# Altium PCB SOM_MCU.PcbDoc (part 1 of 4) (continued)
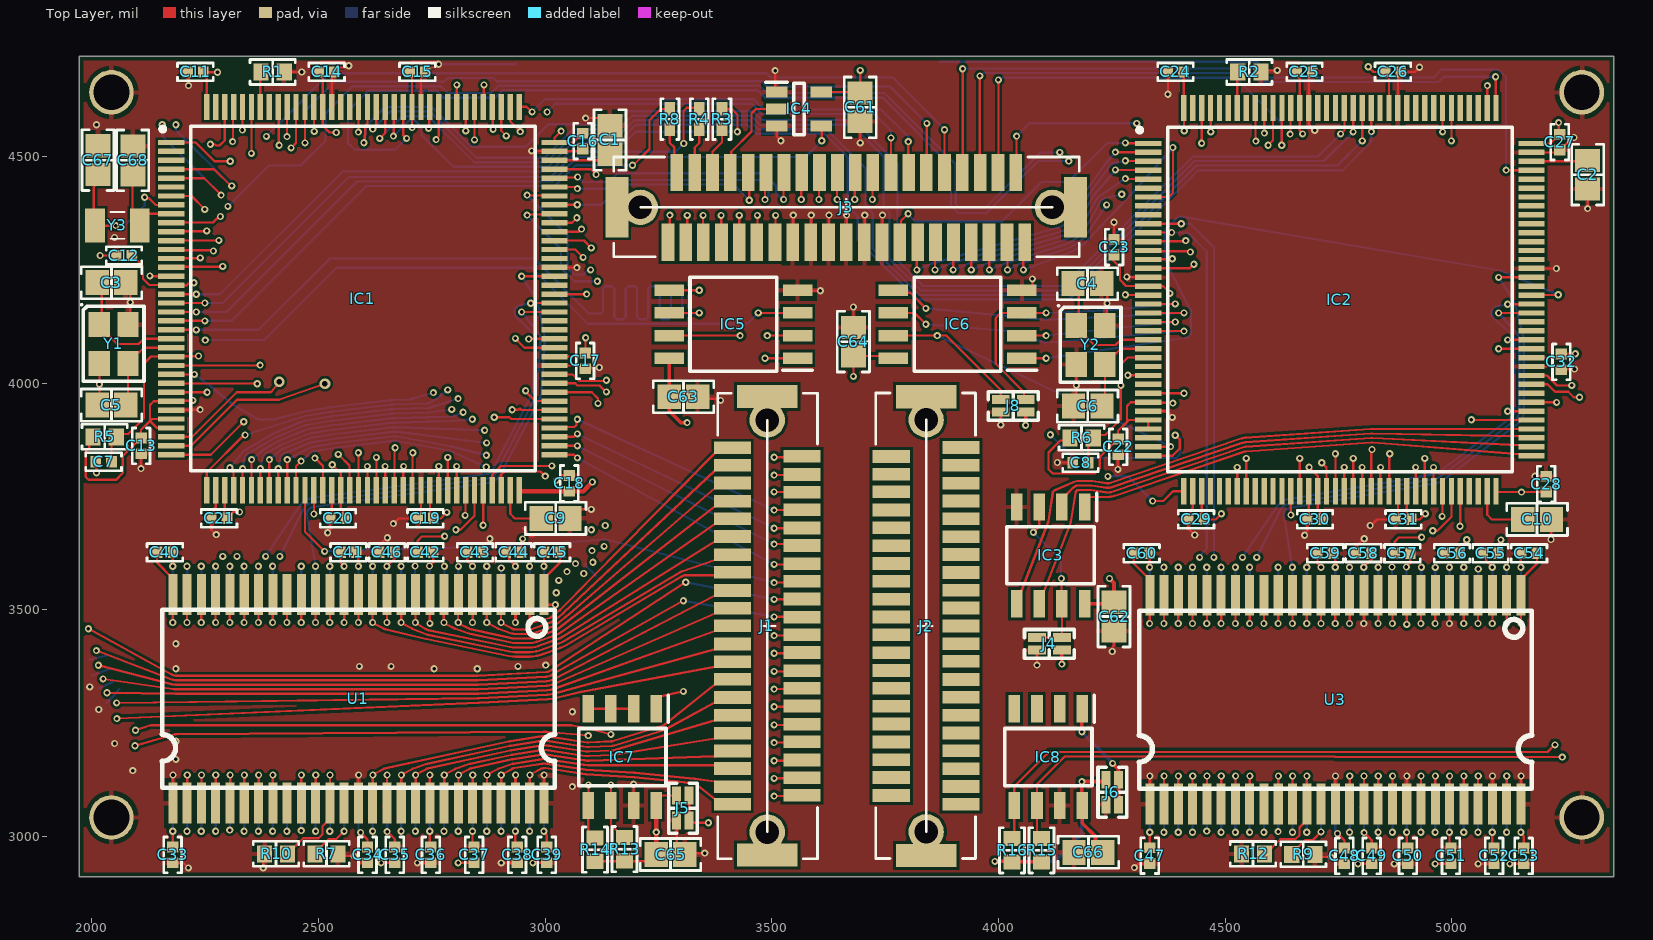
[diagram p0: Top Layer view]
## Footprints (in the part's own frame and the unit in brackets; to place one, negate y for a bottom-side part, rotate by r counter-clockwise, add the part's x,y. Pads: shape width x height; smd on the part's side, far side on the other; paste and mask are expansions set on the pad) (continued)
  silkscreen extent -11.35,-9.65 9.65,9.65, body extent -11,-11 11,11, height 1.6
"RES 0402_1005" [mm] "Chip Resistor, 2-Leads, Body 1.0x0.5mm, IPC Medium Density"
  rect 0.75x0.6 smd: 1(-0.575,0) 2(0.575,0)
  silkscreen extent -1.14,-0.51 1.14,0.51, body extent -0.5,-0.25 0.5,0.25, height 0.35
"RES 0603_1608" [mm] "Chip Resistor, 2-Leads, Body 1.60x0.80mm, IPC Medium Density"
  rect 0.85x0.95 smd: 1(-0.65,0) 2(0.65,0)
  silkscreen extent -1.27,-0.7 1.27,0.7, body extent -0.8,-0.4 0.8,0.4, height 0.45
SOIC127P600X175-8N [mm]
  rect 1.525x0.65 smd: 1(-2.712,1.905) 2(-2.712,0.635) 3(-2.712,-0.635) 4(-2.712,-1.905) 5(2.712,-1.905) 6(2.712,-0.635) 7(2.712,0.635) 8(2.712,1.905)
  silkscreen extent -3.47,-2.45 1.6,2.58, body extent -3,-2.45 3,2.45, height 1.75
SOIC127P790X216-8N [mm]
  rect 1.65x0.65 smd: 1(-3.6,1.905) 2(-3.6,0.635) 3(-3.6,-0.635) 4(-3.6,-1.905) 5(3.6,-1.905) 6(3.6,-0.635) 7(3.6,0.635) 8(3.6,1.905)
  silkscreen extent -4.43,-2.64 2.42,2.64, body extent -3.95,-2.64 3.95,2.64, height 2.16
SOT95P280X145-5N [mm]
  rect 1.2x0.6 smd: 1(-1.25,0.95) 2(-1.25,0) 3(-1.25,-0.95) 4(1.25,-0.95) 5(1.25,0.95)
  silkscreen extent -1.85,-1.45 0.3,1.5, body extent -1.4,-1.45 1.4,1.45, height 1.2
TESTPOINT_VIA#1 [mil]
  round 39.37 / inner round 20 / far side round 20 all layers, no hole mask+4: 1(0,0)
TESTPOINT_VIA#2 [mil]
  round 39.37 / inner round 0 / far side round 0 all layers, no hole mask+4: 1(0,0)
TSOP-54 [mil]
  rect 20x90 smd: 1(-409.45,-230.32) 2(-377.95,-230.32) 3(-346.46,-230.32) 4(-314.96,-230.32) 5(-283.46,-230.32) 6(-251.97,-230.32) 7(-220.47,-230.32) 8(-188.98,-230.32) 9(-157.48,-230.32) 10(-125.98,-230.32) 11(-94.49,-230.32) 12(-62.99,-230.32) 13(-31.5,-230.32) 14(0,-230.32) 15(31.5,-230.32) 16(62.99,-230.32) 17(94.49,-230.32) 18(125.98,-230.32) 19(157.48,-230.32) 20(188.98,-230.32) 21(220.47,-230.32) 22(251.97,-230.32) 23(283.46,-230.32) 24(314.96,-230.32) 25(346.46,-230.32) 26(377.95,-230.31) 27(409.45,-230.31) 28(409.45,230.32) 29(377.95,230.32) 30(346.46,230.32) 31(314.96,230.32) 32(283.46,230.32) 33(251.97,230.32) 34(220.47,230.32) 35(188.98,230.32) 36(157.48,230.32) 37(125.98,230.32) 38(94.49,230.32) 39(62.99,230.32) 40(31.5,230.32) 41(0,230.32) 42(-31.5,230.32) 43(-62.99,230.32) 44(-94.49,230.32) 45(-125.98,230.32) 46(-157.48,230.32) 47(-188.98,230.32) 48(-220.47,230.32) 49(-251.97,230.32) 50(-283.46,230.32) 51(-314.96,230.32) 52(-346.46,230.32) 53(-377.95,230.31) 54(-409.45,230.31)
  silkscreen extent -433,-197 433,197, body extent -443,-230 443,226, height 55

## Part data
C1 C2 C9 C10: library part C0805C225K8RAC7800, "CAP CER 2.2UF 10V X7R 0805", Device Package="0805 (2012 Metric)", Manufacturer=KEMET, Operating Temperature="-55°C ~ 125°C", Supplier Part Number 1=399-C0805C225K8RAC7800CT-ND, Temperature Coefficient=X7R, Tolerance=±10%, Voltage - Rated=10V, Applications="Bypass, Decoupling", Capacitance="2.2 µF", ComponentLink1Description=Datasheet, ComponentLink1URL=https://api.kemet.com/component-edge/download/datasheet/C0805C225K8RACTU.pdf, ComponentLink2Description="DigiKey Link", ComponentLink2URL=https://www.digikey.com/en/products/detail/kemet/C0805C225K8RAC7800/789654, LastUpdated="3/27/2023 7:09:32 PM", Lifecycle Status=Active, Minimum Order=1, Mounting Type="Surface Mount, MLCC", Package / Case="0805 (2012 Metric)", Packaging=TapeAndReel, Part Number=C0805C225K8RAC7800, Part Status=Active, PartId=32363, Price=0.03, Series="SMD Comm X7R", Size / Dimension="0.079\" L x 0.049\" W (2.00mm x 1.25mm)", Supplier 1=DigiKey, Thickness (Max)="0.055\" (1.40mm)"
C3 C4 C5 C6: library part CBR08C909CAGAC, "CAP CER 9PF 250V C0G/NP0 0805", Device Package="0805 (2012 Metric)", Manufacturer=KEMET, Operating Temperature="-55°C ~ 125°C", Supplier Part Number 1=399-8711-1-ND, Temperature Coefficient="C0G, NP0", Tolerance=±0.25pF, Voltage - Rated=250V, Applications="RF, Microwave, High Frequency", Capacitance=9pF, ComponentLink1Description=Datasheet, ComponentLink1URL=https://api.kemet.com/component-edge/download/datasheet/CBR08C909CAGAC.pdf, ComponentLink2Description="DigiKey Link", ComponentLink2URL=http://digikey.com/product-detail/en/kemet/CBR08C909CAGAC/399-8711-1-ND/3480335, Features="High Q, Low Loss, Ultra Low ESR", LastUpdated="9/2/2020 1:04:31 AM", Lifecycle Status=Active, Minimum Order=1, Mounting Type="Surface Mount, MLCC", Package / Case="0805 (2012 Metric)", Packaging=TapeAndReel, Part Number=CBR08C909CAGAC, Part Status=Active, PartId=8592, Price=0.28, Series="CBR-SMD RF C0G", Size / Dimension="0.079\" L x 0.049\" W (2.00mm x 1.25mm)", Supplier 1=DigiKey, Thickness (Max)="0.035\" (0.88mm)"
C7 C8 C11 C12 C13 C14 C15 C16 C17 C18 C19 C20 C21 C22 C23 C24 C25 C26 C27 C28 C29 C30 C31 C32 C33 C34 C35 C36 C37 C38 C39 C40 C41 C42 C43 C44 C45 C46 C47 C48 C49 C50 C51 C52 C53 C54 C55 C56 C57 C58 C59 C60: library part C0402C104K4RACAUTO, "CAP CER 0.1UF 16V X7R 0402", Device Package="0402 (1005 Metric)", Manufacturer=KEMET, Operating Temperature="-55°C ~ 125°C", Ratings=AEC-Q200, Supplier Part Number 1=399-6828-1-ND, Temperature Coefficient=X7R, Tolerance=±10%, Voltage - Rated=16V, Applications="Automotive, Bypass, Decoupling", Capacitance=0.1µF, ComponentLink1Description=Datasheet, ComponentLink1URL=https://api.kemet.com/component-edge/download/specsheet/C0402C104K4RACAUTO.pdf, ComponentLink2Description="DigiKey Link", ComponentLink2URL=http://digikey.com/product-detail/en/kemet/C0402C104K4RACAUTO/399-6828-1-ND/3314343, LastUpdated="9/2/2020 1:02:21 AM", Lifecycle Status=Active, Minimum Order=1, Mounting Type="Surface Mount, MLCC", Package / Case="0402 (1005 Metric)", Packaging=TapeAndReel, Part Number=C0402C104K4RACAUTO, Part Status=Active, PartId=3024, Price=0.01, Series="SMD Auto X7R", Size / Dimension="0.039\" L x 0.020\" W (1.00mm x 0.50mm)", Supplier 1=DigiKey, Thickness (Max)="0.022\" (0.55mm)"
C61 C62 C63 C64 C65 C66: library part C0805C106K8PAC7800, "CAP CER 10UF 10V X5R 0805", Device Package="0805 (2012 Metric)", Manufacturer=KEMET, Operating Temperature="-55°C ~ 85°C", Supplier Part Number 1=399-C0805C106K8PAC7800CT-ND, Temperature Coefficient=X5R, Tolerance=±10%, Voltage - Rated=10V, Applications="Bypass, Decoupling", Capacitance="10 µF", ComponentLink1Description=Datasheet, ComponentLink1URL=https://connect.kemet.com:7667/gateway/IntelliData-ComponentDocumentation/1.0/download/datasheet/C0805C106K8PACTU, ComponentLink2Description="DigiKey Link", ComponentLink2URL=https://www.digikey.com/en/products/detail/kemet/C0805C106K8PAC7800/1090830, LastUpdated="9/19/2022 1:03:23 PM", Lifecycle Status=Active, Minimum Order=1, Mounting Type="Surface Mount, MLCC", Package / Case="0805 (2012 Metric)", Packaging=TapeAndReel, Part Number=C0805C106K8PAC7800, Part Status=Active, PartId=44790, Price=0.02, Series="SMD Comm X5R", Size / Dimension="0.079\" L x 0.049\" W (2.00mm x 1.25mm)", Supplier 1=DigiKey, Thickness (Max)="0.055\" (1.40mm)"
C67 C68: library part CC0805DRNPO9BN7R0, "CAP CER 7PF 50V C0G/NPO 0805", Device Package="0805 (2012 Metric)", Manufacturer=Yageo, Operating Temperature="-55°C ~ 125°C", Supplier Part Number 1=311-1096-1-ND, Temperature Coefficient="C0G, NP0", Tolerance=±0.5pF, Voltage - Rated=50V, Applications="General Purpose", Capacitance="7 pF", ComponentLink1Description=Datasheet, ComponentLink1URL=https://www.yageo.com/upload/media/product/productsearch/datasheet/mlcc/UPY-GP_NP0_16V-to-50V_17.pdf, ComponentLink2Description="DigiKey Link", ComponentLink2URL=https://www.digikey.com/en/products/detail/yageo/CC0805DRNPO9BN7R0/302830, LastUpdated="9/8/2023 7:12:10 PM", Lifecycle Status=Active, Minimum Order=1, Mounting Type="Surface Mount, MLCC", Package / Case="0805 (2012 Metric)", Packaging=TapeAndReel, Part Number=CC0805DRNPO9BN7R0, Part Status=Active, PartId=8360, Price=0.01, Series=CC, Size / Dimension="0.079\" L x 0.049\" W (2.00mm x 1.25mm)", Supplier 1=DigiKey, Thickness (Max)="0.024\" (0.60mm)"
IC1 IC2: "Integrated Circuit", Manufacturer_Name=STMicroelectronics, Mouser Part Number=N/A, Datasheet Link=https://componentsearchengine.com/Datasheets/1/STM32H743ZIT6U.pdf, Height=1.6mm, Manufacturer_Part_Number=STM32H743ZIT6U, Mouser Price/Stock=https://www.mouser.co.uk/ProductDetail/STMicroelectronics/STM32H743ZIT6U?qs=PzGy0jfpSMtTUBlZwwPqMQ%3D%3D
IC3: "Integrated Circuit", Manufacturer_Name="Lyontek Inc.", Datasheet Link=https://datasheet.lcsc.com/szlcsc/Lyontek-Inc-LY68L6400SLIT_C261881.pdf, Height=1.75mm, Manufacturer_Part_Number=LY68L6400SLIT
IC4: "Integrated Circuit", Manufacturer_Name="Texas Instruments", Mouser Part Number=595-SN74LVC1G125DBVR, Arrow Part Number=SN74LVC1G125DBVR, Arrow Price/Stock=https://www.arrow.com/en/products/sn74lvc1g125dbvr/texas-instruments?region=nac, Datasheet Link=http://www.ti.com/lit/ds/symlink/sn74lvc1g125.pdf, Height=1.45mm, Manufacturer_Part_Number=SN74LVC1G125DBVR, Mouser Price/Stock=https://www.mouser.co.uk/ProductDetail/Texas-Instruments/SN74LVC1G125DBVR?qs=dT9u2OTAaVWCjkJK89JQQg%3D%3D
IC5 IC6: "Integrated Circuit", Manufacturer_Name=Micron, Mouser Part Number=340-182267, Arrow Part Number=N25Q128A13ESE40F, Arrow Price/Stock=https://www.arrow.com/en/products/n25q128a13ese40f/micron-technology, Datasheet Link=https://datasheet.datasheetarchive.com/originals/distributors/Datasheets-DGA23/1494983.pdf, Height=2.16mm, Manufacturer_Part_Number=N25Q128A13ESE40F, Mouser Price/Stock=https://www.mouser.co.uk/ProductDetail/Micron/N25Q128A13ESE40F?qs=taEdVNyAfdHw8xv9Y4zfpQ%3D%3D
IC7 IC8: "Integrated Circuit", Manufacturer_Name=Microchip, Mouser Part Number=556-A24C128BNSH-B, Datasheet Link=https://componentsearchengine.com/Datasheets/1/AT24C128BN-SH-B.pdf, Height=1.75mm, Manufacturer_Part_Number=AT24C128BN-SH-B, Mouser Price/Stock=https://www.mouser.co.uk/ProductDetail/Microchip-Technology-Atmel/AT24C128BN-SH-B?qs=j6lVIf5KywAfpl9r4qbAuQ%3D%3D
J1 J2 J3: "Connector", Arrow Part Number=DF9-41P-1V(32), Manufacturer_Name=Hirose, Mouser Part Number=798-DF9-41P-1V32, Arrow Price/Stock=https://www.arrow.com/en/products/df9-41p-1v-32/hirose-electric, Datasheet Link=http://componentsearchengine.com/Datasheets/1/DF9-41P-1V(32).pdf, Manufacturer_Part_Number=DF9-41P-1V(32), Mouser Price/Stock=https://www.mouser.co.uk/ProductDetail/Hirose-Connector/DF9-41P-1V32?qs=zOgoZG1CgI%252BzVCgniEkwOw%3D%3D
J4 J5 J6 J8: library part Jumper_double, CommentText="\"Перемычка\""
R1 R2 R5 R6 R7 R9 R10 R12: library part RT0603FRE0710KL, "RES SMD 10K OHM 1% 1/10W 0603", Device Package="0603 (1608 Metric)", Manufacturer=Yageo, Operating Temperature="-55°C ~ 155°C", Power (Watts)="0.1W, 1/10W", Supplier Device Package=0603, Supplier Part Number 1=YAG2321CT-ND, Temperature Coefficient=±50ppm/°C, Tolerance=±1%, ComponentLink1Description=Datasheet, ComponentLink1URL=https://www.yageo.com/upload/media/product/productsearch/datasheet/rchip/PYu-RT_1-to-0.01_RoHS_L_11.pdf, ComponentLink2Description="DigiKey Link", ComponentLink2URL=http://digikey.com/product-detail/en/yageo/RT0603FRE0710KL/YAG2321CT-ND/5252435, Composition="Thin Film", Height - Seated (Max)="0.022\" (0.55mm)", LastUpdated="9/2/2020 1:10:23 AM", Lifecycle Status=Active, Minimum Order=1, Number of Terminations=2, Package / Case="0603 (1608 Metric)", Packaging=TapeAndReel, Part Number=RT0603FRE0710KL, Part Status=Active, PartId=5671, Price=0.01, Resistance="10 kOhms", Series=RT, Size / Dimension="0.063\" L x 0.031\" W (1.60mm x 0.80mm)", Supplier 1=DigiKey
R3 R4 R8: library part RT0402FRE07100RL, "RES SMD 100 OHM 1% 1/16W 0402", Device Package="0402 (1005 Metric)", Manufacturer=Yageo, Operating Temperature="-55°C ~ 155°C", Power (Watts)="0.063W, 1/16W", Supplier Device Package=0402, Supplier Part Number 1=YAG3342CT-ND, Temperature Coefficient=±50ppm/°C, Tolerance=±1%, ComponentLink1Description=Datasheet, ComponentLink1URL=https://www.yageo.com/upload/media/product/productsearch/datasheet/rchip/PYu-RT_1-to-0.01_RoHS_L_11.pdf, ComponentLink2Description="DigiKey Link", ComponentLink2URL=http://digikey.com/product-detail/en/yageo/RT0402FRE07100RL/YAG3342CT-ND/5418047, Composition="Thin Film", Height - Seated (Max)="0.014\" (0.35mm)", LastUpdated="9/2/2020 1:08:09 AM", Lifecycle Status=Active, Minimum Order=1, Number of Terminations=2, Package / Case="0402 (1005 Metric)", Packaging=TapeAndReel, Part Number=RT0402FRE07100RL, Part Status=Active, PartId=3193, Price=0.01, Resistance="100 Ohms", Series=RT, Size / Dimension="0.039\" L x 0.020\" W (1.00mm x 0.50mm)", Supplier 1=DigiKey
R13 R14 R15 R16: library part RT0603DRE075K6L, "RES SMD 5.6K OHM 0.5% 1/10W 0603", Device Package="0603 (1608 Metric)", Manufacturer=Yageo, Operating Temperature="-55°C ~ 155°C", Power (Watts)="0.1W, 1/10W", Supplier Device Package=0603, Supplier Part Number 1=311-2635-1-ND, Temperature Coefficient=±50ppm/°C, Tolerance=±0.5%, ComponentLink1Description=Datasheet, ComponentLink1URL=https://www.yageo.com/upload/media/product/productsearch/datasheet/rchip/PYu-RT_1-to-0.01_RoHS_L_11.pdf, ComponentLink2Description="DigiKey Link", ComponentLink2URL=http://digikey.com/product-detail/en/yageo/RT0603DRE075K6L/311-2635-1-ND/6129054, Composition="Thin Film", Height - Seated (Max)="0.022\" (0.55mm)", LastUpdated="9/2/2020 1:10:05 AM", Lifecycle Status=Active, Minimum Order=1, Number of Terminations=2, Package / Case="0603 (1608 Metric)", Packaging=TapeAndReel, Part Number=RT0603DRE075K6L, Part Status=Active, PartId=14197, Price=0.01, Resistance="5.6 kOhms", Series=RT, Size / Dimension="0.063\" L x 0.031\" W (1.60mm x 0.80mm)", Supplier 1=DigiKey
TP1 TP2: library part TestPoint
Y1 Y2: library part NX3225SA-24MHZ-EXS00A-CS07532, "CRYSTAL 24MHZ 9PF SMD", ESR (Equivalent Series Resistance)="100 Ohms", Load Capacitance=9pF, Manufacturer="NDK America, Inc.", Operating Mode=Fundamental, Operating Temperature="-40°C ~ 150°C", Package / Case="4-SMD, No Lead", Ratings=AEC-Q200, Supplier Part Number 1=644-1393-1-ND, ComponentLink2Description="DigiKey Link", ComponentLink2URL=http://digikey.com/product-detail/en/ndk-america-inc/NX3225SA-24MHZ-EXS00A-CS07532/644-1393-1-ND/9172121, Frequency=24MHz, Height - Seated (Max)="0.024\" (0.60mm)", LastUpdated="9/2/2020 1:21:59 AM", Lifecycle Status=Active, Minimum Order=1, Mounting Type="Surface Mount", Packaging=TapeAndReel, Part Number=NX3225SA-24MHZ-EXS00A-CS07532, Part Status=Active, PartId=571, Price=0.38, Series=NX3225SA, Size / Dimension="0.126\" L x 0.098\" W (3.20mm x 2.50mm)", Supplier 1=DigiKey, Type="MHz Crystal"
Y3: "Crystal or Oscillator", Manufacturer_Name=ABRACON, Mouser Part Number=815-ABS07-32.768K7T, Arrow Part Number=ABS07-32.768KHZ-7-T, Arrow Price/Stock=https://www.arrow.com/en/products/abs07-32.768khz-7-t/abracon?region=nac, Datasheet Link=https://abracon.com/Resonators/ABS07.pdf, Height=0.9mm, Manufacturer_Part_Number=ABS07-32.768KHZ-7-T, Mouser Price/Stock=https://www.mouser.co.uk/ProductDetail/ABRACON/ABS07-32.768KHZ-7-T?qs=2nyfZ6BV3oibNEFok2qBLA%3D%3D

## Free pads (board coordinates)
  round 98.43 hole 78.74: 7(2042.91,3041.61) 7(2042.91,4641.61) 7(5287.09,3041.61) 7(5287.09,4641.61)

## Via types
v1: diameter 15.75, hole 7.87, Top Layer to Bottom Layer, tented both sides, 639 vias
v2: diameter 15.75, hole 7.87, Top Layer to Bottom Layer, 4 vias
v3: diameter 23.62/23.62/23.62/23.62 (per signal layer), hole 12, Top Layer to Bottom Layer, tented top, 2 vias

## Nets (pads, with @x,y where several pads share a name; then routed paths per layer and width w, separated by ;. In a path a pad name is that pad's centre, name@x,y a point inside that pad or via, vN(x,y) a via of type N, cw(c..) or ccw(c..) an arc to the next point about the centre after c; other vN are vias at no path point)
+MCU: C11.1 C12.1 C13.1 C14.1 C15.1 C16.1 C17.1 C18.1 C19.1 C20.1 C21.1 C22.1 C23.1 C24.1 C25.1 C26.1 C27.1 C28.1 C29.1 C30.1 C31.1 C32.1 C33.1 C34.1 C35.1 C36.1 C37.1 C38.1 C39.1 C40.1 C41.1 C42.1 C43.1 C44.1 C45.1 C46.1 C47.1 C48.1 C49.1 C50.1 C51.1 C52.1 C53.1 C54.1 C55.1 C56.1 C57.1 C58.1 C59.1 C60.1 C61.2 C62.2 C63.2 C64.2 C65.2 C66.2 IC1.17 IC1.30 IC1.32 IC1.33 IC1.39 IC1.52 IC1.62 IC1.72 IC1.84 IC1.108 IC1.121 IC1.131 IC1.144 IC2.17 IC2.30 IC2.32 IC2.33 IC2.39 IC2.52 IC2.62 IC2.72 IC2.84 IC2.108 IC2.121 IC2.131 IC2.144 IC3.8 IC4.5 IC5.8 IC6.8 IC7.8 IC8.8 J3.18 J3.20 J3.22 J3.24 J3.26 J4.2 J5.1 J6.1 J8.2 R5.1 R6.1 R13.2 R14.2 R15.2 R16.2 U1.1 U1.3 U1.9 U1.14 U1.27 U1.43 U1.49 U2.1 U2.3 U2.9 U2.14 U2.27 U2.43 U2.49 U3.1 U3.3 U3.9 U3.14 U3.27 U3.43 U3.49 U4.1 U4.3 U4.9 U4.14 U4.27 U4.43 U4.49 | length 9337
  Top Layer w5: R5.1@2002.32,3881.61 1993.73,3873.02 1993.73,3856.43 1986.53,3849.22 1986.53,3793 1992.91,3786.61 2052.91,3786.61 2067.91,3801.61 2067.91,3839.55 2107.57,3879.21 C13.1@2108.36,3879.21 2108.36,3897.06 2127.91,3916.61 ; C12.1@2097.91,4281.61 2097.91,4272.71 2112.54,4258.09 2112.54,4230.25 2126.17,4216.61 2174.69,4216.61 IC1.17@2175.16,4216.14 2209.14,4216.14 2212.07,4219.07 2216.59,4219.07 2216.97,4219.45 2222.84,4219.45 v1(2224.89,4221.51) ; C40.1@2143.27,3626.61 2143.27,3604.21 2178.46,3569.02 U1.27@2178.46,3534.02 v1@2178.46,3472.17 ; IC1.33@2175.16,3901.18 2143.35,3901.18 2127.91,3916.61 ; IC1.32@2175.16,3920.87 2132.17,3920.87 2127.91,3916.61 ; C33.1@2177.13,2976.61 C33.1@2177.91,2976.61 2178.34,2977.04 v1(2178.34,3011.41) ; v1(2222.69,3961.9) 2221.86,3961.07 2175.99,3961.07 IC1.30@2175.16,3960.24 2136.54,3960.24 2127.91,3951.61 2127.91,3916.61 ; C11.1@2245.24,4686.61 C11.1@2245.85,4686 ; IC1.144@2253.43,4609.37 2253.43,4678.43 C11.1@2245.85,4686 ; v1(2277,4686) C11.1@2245.85,4686 ; IC1.39@2292.8,3763.86 2292.8,3706.73 C21.1@2297.91,3701.61 2297.91,3702.4 2307.22,3711.71 2308.01,3711.71 2312.07,3715.77 v1(2325.81,3715.77) ; C14.1@2497.91,4696.61 2497.91,4695.83 2509.33,4684.41 IC1.131@2509.33,4609.37 2509.33,4567.67 2524,4553 v1(2539,4553) ; v1(2530,3820) 2548.7,3801.3 IC1.52@2548.7,3763.86 2548.7,3724.51 2554.43,3718.78 2554.43,3707.42 C20.1@2560.24,3701.61 ; C41.1@2548.27,3626.61 2548.27,3604.01 v1(2556.17,3596.1) ; U1.14@2580.66,3577.09 2580.66,3541.52 U1.14@2588.16,3534.02 ; v1@2587.91,3472.17 U1.14@2587.91,3534.02 ; v1(2592.67,3008.62) 2607.91,2993.38 C34.1@2607.91,2976.61 ; v1(2637.91,2941.61) 2638.27,2941.97 C35.1@2667.91,2941.97 ; U1.43@2643.77,3066.25 U1.43@2650.91,3073.39 v1@2650.91,3135.23 ; v1(2650.66,3596.1) 2667.91,3613.36 C46.1@2667.91,3626.61 ; C15.1@2697.91,4696.61 2706.18,4688.35 IC1.121@2706.18,4609.37 2706.23,4609.32 2706.23,4563.83 v1(2706.28,4563.78) ; C42.1@2718.27,3626.61 2718.27,3651.97 2727.8,3661.5 2777.27,3661.5 v1(2778.07,3662.3) ; v1(2745.15,3011.3) 2745.15,2979.38 C36.1@2747.91,2976.61 ; v1(2745.41,3469.95) U1.9@2745.41,3569 ; IC1.62@2745.55,3763.86 2745.55,3712.09 C19.1@2754.42,3703.22 ; C19.1@2752.81,3701.61 2769.61,3701.61 v1(2783,3715) ; v1(2807.91,2941.61) 2842.56,2941.61 C37.1@2842.91,2941.97 ; C43.1@2827.91,3626.61 2827.91,3607.83 v1(2839.64,3596.1) ; U1.49@2839.64,3073.14 v1@2839.64,3134.98 ; U1.49@2839.88,3038.39 v1@2839.88,3135.23 ; U1.49@2840.13,3073.63 v1(2840.13,3135.47) ; U1.49@2840.37,3073.38 v1@2840.37,3135.23 ; v1(2934.13,3011.3) 2934.13,2980.4 C38.1@2937.91,2976.61 ; v1(2934.13,3471.93) U1.3@2934.13,3533.77 ; v1@2934.37,3472.17 U1.3@2934.37,3569.02 ; v1@2934.62,3471.93 U1.3@2934.62,3534.2 ; v1@2934.86,3472.17 U1.3@2934.86,3534.01 ; IC1.72@2942.4,3763.86 IC1.72@2944.29,3761.97 ; C44.1@2947.56,3626.61 2947.56,3648.04 2948.19,3648.67 2948.19,3654.4 v1(2950.25,3656.46) ; v1(2997.12,3011.3) 2997.12,3009 3003.31,3002.82 C39.1@3003.31,2976.61 ; IC1.84@3020.67,4058.66 3079.96,4058.66 3089.13,4067.83 v1(3089.13,4100.25) ; v1(3022.46,3511.11) 3004.86,3511.11 2997.36,3518.61 2997.36,3569.02 3032.56,3604.21 C45.1@3032.56,3626.61 ; v1(3035,4556) 3020.67,4541.67 IC1.108@3020.67,4531.1 3061.97,4531.1 3082.13,4551.26 C16.1@3082.91,4551.26 ; R14.2@3110,2945 3230,2945 C65.2@3245,2960 ; IC7.8@3245,3068.23 3245,3079.82 3255.3,3090.12 J5.1@3296.22,3090.12 ; IC5.8@3273.27,4055 IC5.8@3273.5,4054.76 ; v1(3564.88,4405.25) J3.26@3564.88,4463.88 ; v1(3603.88,4405.25) J3.24@3603.88,4463.88 ; IC4.5@3609.21,4642.4 3692.6,4642.4 C61.2@3695,4640 v1(3695,4690) ; v1(3643.88,4405.25) J3.22@3643.88,4463.88 ; v1(3680,4015) C64.2@3680,4060 3763.27,4060 IC6.8@3768.27,4055 ; v1(3682.88,4405.25) J3.20@3682.88,4463.88 ; v1(3721.88,4405.25) J3.18@3721.88,4463.88 ; R6.1@4157.83,3879.37 4151.8,3873.33 4136.53,3873.33 4110.35,3847.15 4110.35,3810.16 4119.93,3800.58 4212.32,3800.58 4223.43,3811.68 4223.43,3837.31 4263.08,3876.97 C22.1@4263.87,3876.97 4263.87,3894.82 4283.43,3914.37 ; C23.1@4253.43,4279.37 4253.43,4270.47 4268.05,4255.84 4268.05,4228 4281.68,4214.37 IC2.17@4330.2,4214.37 ; C60.1@4298.72,3624.37 4298.72,3601.97 4333.92,3566.77 U3.27@4333.92,3531.83 v1@4333.92,3469.93 ; IC2.33@4330.67,3898.94 IC2.32@4330.67,3918.62 4287.68,3918.62 4283.43,3914.37 ; IC2.17@4330.67,4213.9 4363.34,4213.9 4378,4199.24 v1(4378,4198) ; C47.1@4332.58,2974.37 4333.37,2974.37 C47.1@4333.85,2974.79 v1(4333.79,3009.17) ; v1(4385,3956) 4384,3957 4331.67,3957 IC2.30@4330.67,3957.99 4292.05,3957.99 4283.43,3949.37 4283.43,3914.37 ; C24.1@4407.91,4686.61 4408.94,4685.59 IC2.144@4408.94,4607.13 4409.47,4606.59 4409.47,4557.53 v1(4410,4557) ; IC2.39@4448.31,3761.61 4448.31,3704.49 C29.1@4453.43,3699.37 4479.37,3699.37 v1(4492,3712) ; C25.1@4657.91,4686.61 4664.84,4679.69 IC2.131@4664.84,4607.13 4664.84,4556.16 v1(4671,4550) ; v1(4685.51,3814.37) 4704.21,3795.67 4704.21,3722.27 4709.94,3716.54 4709.94,3705.18 C30.1@4715.75,3699.37 ; C59.1@4703.72,3624.37 4703.72,3601.76 v1(4711.62,3593.86) ; U3.14@4736.11,3574.84 4736.11,3539.27 U3.14@4743.61,3531.77 ; v1@4743.37,3469.93 U3.14@4743.37,3531.83 ; v1(4748.12,3006.38) 4763.37,2991.13 C48.1@4763.43,2974.37 ; v1(4793.37,2939.37) 4793.72,2939.72 C49.1@4823.43,2939.72 ; U3.43@4799.22,3064.01 4806.36,3071.14 v1@4806.36,3132.98 ; v1(4806.11,3593.86) 4823.37,3611.11 C58.1@4823.37,3624.37 ; v1(4816,4698) 4827.39,4686.61 C26.1@4852.91,4686.61 4861.69,4677.83 IC2.121@4861.69,4607.13 ; C57.1@4873.72,3624.37 4873.72,3649.72 4883.26,3659.26 4932.72,3659.26 v1(4933.52,3660.06) ; v1(4900.6,3009.05) 4900.6,2977.14 C50.1@4903.43,2974.37 ; v1(4900.86,3467.7) U3.9@4900.86,3566.75 ; IC2.62@4901.06,3761.61 4901.06,3709.84 4910.75,3700.16 C31.1@4910.75,3699.37 4929.37,3699.37 v1(4942,3712) ; v1(4963.37,2939.37) 4998.01,2939.37 C51.1@4998.43,2939.72 ; U3.49@4995.33,3036.14 v1@4995.33,3132.98 ; C56.1@5018.01,3624.37 5018.01,3639.02 v1(5033.37,3654.37) ; v1(5089.58,3009.05) 5089.58,2978.16 C52.1@5093.43,2974.37 ; v1@5089.82,3469.93 U3.3@5089.82,3566.77 ; IC2.72@5099.8,3759.72 v1(5154.11,3759.72) C28.1@5208.43,3759.72 ; C55.1@5103.01,3624.37 5103.01,3645.8 5108.52,3651.31 v1(5108.52,3654.21) ; v1(5152.57,3009.05) 5152.57,3006.76 5158.76,3000.57 C53.1@5158.82,2974.37 ; v1@5152.81,3469.93 5152.81,3566.77 5188.01,3601.97 C54.1@5188.01,3624.37 ; IC2.84@5176.18,4056.42 C32.1@5235.47,4056.42 ; IC2.108@5176.18,4528.86 5217.48,4528.86 5237.64,4549.02 C27.1@5238.43,4549.02 5236,4551.44 v1(5236,4575) ; C32.1@5242.05,4064.28 5242.77,4065 v1(5273,4065)
  Top Layer w8: IC5.8@3273.27,4055 3273.27,3970.24 C63.2@3273.5,3970 3273.5,3938.5 3299,3913 v1(3313,3913) ; v1(3992,2945) 4028.82,2945 R16.2@4030,2943.82 R15.2@4095,2943.82 ; v1(4060,3907) 4060,3936.1 J8.2@4060.12,3936.22 ; v1(4140,3380) 4140,3411.1 J4.2@4140.12,3411.22 ; IC3.8@4190,3513.23 4251.73,3513.23 C62.2@4255,3516.5 4255,3559 v1(4245,3569) ; C66.2@4230,2965 4214.13,2980.87 4214.13,2999.87 4185,3029 IC8.8@4185,3068.23 4184,3069.23 v1(4184,3121) 4233.44,3121 J6.1@4237.44,3125
  Top Layer w10: IC1.72@2942.4,3763.86 2942.4,3762.52 2943.31,3761.61 C18.1@3052.91,3761.61 3083.61,3761.61 v1(3104,3782) ; C65.2@3245,2960 v1(3245,3009.61) IC7.8@3245,3068.23
  Bottom Layer w5: v1@2178.22,3011.3 v1(2178.34,3011.41) ; v1@2178.46,3011.54 U2.27@2178.46,3073.39 ; v1@2587.91,3011.54 U2.14@2587.91,3073.39 ; U2.43@2650.91,3534.02 v1@2650.91,3595.86 ; v1@2743.09,3009.24 v1(2745.15,3011.3) ; v1@2745.39,3011.54 U2.9@2745.39,3073.39 ; U2.49@2839.88,3534.02 v1@2839.88,3595.86 ; v1@2934.37,3011.54 U2.3@2934.37,3073.39 ; v1@2997.36,3011.54 U2.1@2997.36,3073.39 ; v1@4333.67,3009.05 v1(4333.79,3009.17) ; v1@4333.92,3009.3 U4.27@4333.92,3071.14 ; v1@4743.37,3009.3 U4.14@4743.37,3071.14 ; U4.43@4806.36,3531.83 v1@4806.36,3593.61 ; v1@4898.54,3007 v1(4900.6,3009.05) ; v1@4900.85,3009.3 U4.9@4900.85,3071.14 ; v1(4995.09,3593.86) 4995.09,3532.07 U4.49@4995.33,3531.83 ; v1@5089.82,3009.3 U4.3@5089.82,3071.14 ; v1@5152.81,3009.3 U4.1@5152.81,3071.14
  Bottom Layer w8: v1(3992,2945) 4124,2945 4184,3005 v1(4184,3121)
  other v1: 4806.6,3133.23 4995.58,3133.23 2651.15,3135.47 4333.67,3469.68 4743.12,3469.68 5089.58,3469.68 5152.57,3469.68 2178.22,3471.93 2587.67,3471.93
A0: IC1.10 U1.23 U2.23 | length 1869.7
  Top Layer w5: IC1.10@2175.16,4353.94 2175.69,4354.47 2267.13,4354.47 2280.31,4367.66 v1(2283.17,4367.66) ; v1@2304.2,3472.42 U1.23@2304.2,3533.77
  Mid-Layer 3 w5: v1(2283.17,4367.66) 2347.89,4302.89 cw(c2344.35,4299.35) 2349.35,4299.44 ; v1(2304.08,3013.81) 2304.08,3102.79 cw(c2309.08,3102.79) 2305.53,3106.3 2318.87,3119.69 ccw(c2315.33,3123.22) 2320.33,3123.13 2320.33,3447.77 ; v1(2304.2,3471.93) ccw(c2309.2,3471.93) 2305.26,3468.86 2319.28,3450.79 cw(c2315.33,3447.72) 2320.33,3447.81 ; v1(2304.2,3471.93) cw(c2309.2,3471.93) 2305.28,3475.02 2319.25,3492.77 ccw(c2315.33,3495.87) 2320.33,3495.78 2320.33,3600.04 ccw(c2315.33,3600.03) 2320.33,3600.11 v1(2320.04,3617.91) ; v1(2320.04,3617.91) cw(c2325.04,3617.95) 2320.19,3619.19 2326.15,3642.89 cw(c2340.7,3639.23) 2330.06,3649.81 2396.4,3716.15 cw(c2435.19,3677.15) 2398.81,3718.4 2446.47,3760.43 cw(c2489.7,3711.39) 2469.48,3773.56 2537.87,3795.88 ccw(c2530,3820) 2555.12,3816.41 2558.6,3840.77 ccw(c2543.38,3842.95) 2551.11,3856.24 2382.22,3954.42 cw(c2400,3985) 2371.77,3963.69 2352.44,3989.38 cw(c2364.76,3998.58) 2349.38,3998.62 2349.35,4299.4
  Bottom Layer w5: v1@2304.45,3011.54 U2.23@2304.45,3073.39
A01: IC2.10 U3.23 U4.23 | length 1595.9
  Top Layer w5: IC2.10@4330.61,4351.69 IC2.10@4330.67,4351.69 v1@4403.21,4351.69 ; v1(4459.66,3469.68) 4459.9,3469.68 U3.23@4459.9,3531.83
  Mid-Layer 3 w5: v1(4459.53,3011.56) 4459.53,3102.61 4475.78,3118.86 4475.78,3445.52 ; v1(4475.49,3615.67) 4475.78,3597.86 cw(c4470.78,3597.78) 4475.78,3597.8 4475.78,3493.58 ; 4475.78,3445.57 ccw(c4470.78,3445.48) 4474.73,3448.55 4460.74,3466.58 cw(c4464.66,3469.68) v1(4459.66,3469.68) v1(4459.66,3469.68) cw(c4464.66,3469.68) 4460.73,3472.78 4474.71,3490.53 ccw(c4470.78,3493.62) 4475.78,3493.53
  Bottom Layer w5: v1(4403.29,4351.77) 4423.23,4351.77 4475.49,4299.51 v1(4475.49,3615.67) ; v1@4459.9,3009.3 U4.23@4459.9,3071.14
A1: IC1.11 U1.24 U2.24 | length 1773.7
  Top Layer w5: IC1.11@2175.32,4334.41 2175.97,4335.07 2252.3,4335.07 v1(2253.11,4335.88) ; v1(2272.71,3471.93) U1.24@2272.71,3533.77
  Mid-Layer 3 w5: v1(2253.11,4335.88) 2275.44,4339.96 cw(c2280,4315) 2297.23,4333.62 2337.75,4296.13 cw(c2334.35,4292.46) 2339.35,4292.55 ; v1(2272.71,3011.3) 2272.71,3102.91 cw(c2277.71,3102.91) 2274.15,3106.43 2287.37,3119.69 ccw(c2283.83,3123.22) 2288.83,3123.13 2288.83,3447.77 ; v1(2272.71,3471.93) ccw(c2276.86,3474.71) 2272.79,3471.8 2287.9,3450.63 cw(c2283.83,3447.72) 2288.83,3447.81 ; v1@2272.71,3477.63 2272.71,3477.49 cw(c2276.86,3474.71) 2273.29,3478.21 2287.37,3492.34 ccw(c2283.83,3495.87) 2288.83,3495.78 2288.83,3600.04 ccw(c2283.83,3600.03) 2288.83,3600.11 v1(2288.54,3617.91) ; v1(2288.54,3617.91) cw(c2293.54,3617.95) 2288.74,3619.34 2294.8,3640.21 cw(c2309.2,3636.02) 2298.6,3646.63 2382.26,3730.29 cw(c2435.19,3677.15) 2385.63,3733.45 2433.23,3775.43 cw(c2489.7,3711.39) 2441.79,3782.06 2500.56,3821.9 ccw(c2491.93,3834.63) 2501.48,3846.67 2371.82,3949.44 cw(c2400,3985) 2363.76,3957.7 2344.46,3983.35 cw(c2364.76,3998.58) 2339.38,3998.58 2339.35,4292.51
  Bottom Layer w5: v1@2272.95,3011.54 U2.24@2272.95,3073.39
A1_1: IC2.11 U3.24 U4.24 | length 1570.1
  Top Layer w5: IC2.11@4330.77,4332.17 4330.81,4332.2 4381.96,4332.2 v1(4382.16,4332.4) ; v1@4428.4,3469.93 U3.24@4428.41,3531.83
  Mid-Layer 3 w5: v1(4428.16,3009.05) 4428.16,3102.74 4444.28,3118.86 4444.28,3445.52 ; v1(4428.16,3469.68) ccw(c4432.32,3472.47) 4428.24,3469.56 4443.35,3448.38 cw(c4439.28,3445.48) 4444.28,3445.57 ; v1@4428.16,3475.38 4428.16,3475.25 cw(c4432.31,3472.47) 4428.74,3475.97 4442.82,3490.09 ccw(c4439.28,3493.62) 4444.28,3493.53 ; v1(4443.99,3615.67) 4444.28,3597.86 cw(c4439.28,3597.78) 4444.28,3597.8 4444.28,3493.58
  Bottom Layer w5: v1(4382.16,4332.4) 4417.08,4332.4 4459.46,4290.02 4459.46,3634.04 4443.99,3618.57 v1(4443.99,3615.67) ; v1@4428.4,3009.3 U4.24@4428.4,3071.14
A2: IC1.12 U1.25 U2.25 | length 1585.1
  Top Layer w5: IC1.12@2175.16,4314.57 2175.37,4314.78 2279.78,4314.78 v1(2280,4315) ; v1(2241.21,3471.93) U1.25@2241.21,3533.77
  Mid-Layer 3 w5: v1(2241.21,3011.3) 2241.21,3102.91 cw(c2246.21,3102.91) 2242.66,3106.43 2255.88,3119.69 ccw(c2252.33,3123.22) 2257.33,3123.13 2257.33,3447.77 ; v1(2241.21,3471.93) ccw(c2245.37,3474.71) 2241.3,3471.8 2256.4,3450.63 cw(c2252.33,3447.72) 2257.33,3447.81 ; v1@2241.21,3477.63 2241.21,3477.49 cw(c2245.37,3474.71) 2241.79,3478.21 2255.88,3492.34 ccw(c2252.33,3495.87) 2257.33,3495.78 2257.33,3787.45 cw(c2262.33,3787.45) 2258.78,3790.97 2312.01,3844.2 ccw(c2294.27,3861.82) 2319.27,3861.81 2319.3,3979.87 ccw(c2309.3,3979.89) 2319.3,3979.93 2319.25,4273.68 ccw(c2314.25,4273.67) 2317.88,4277.12 2317.84,4277.16 ccw(c2314.25,4273.67) 2317.79,4277.21 v1(2280,4315)
  Bottom Layer w5: v1@2241.46,3011.54 U2.25@2241.46,3073.39
A3: IC1.13 U1.26 U2.26 | length 1547
  Top Layer w5: IC1.13@2175.32,4295.04 2177.11,4293.25 2266.28,4293.25 v1(2267.91,4291.61) ; v1(2209.72,3471.93) U1.26@2209.72,3533.77
  Mid-Layer 3 w5: v1(2209.72,3011.3) 2209.72,3102.91 cw(c2214.72,3102.91) 2211.16,3106.43 2224.39,3119.66 ccw(c2220.84,3123.17) 2225.84,3123.17 2225.84,3447.77 ; v1@2209.72,3477.63 2209.72,3477.49 cw(c2213.87,3474.71) 2210.3,3478.21 2224.38,3492.34 ccw(c2220.84,3495.87) 2225.84,3495.78 2225.84,3786.31 2297.83,3858.31 ; v1(2209.72,3471.93) ccw(c2213.87,3474.71) 2209.8,3471.8 2224.91,3450.63 cw(c2220.84,3447.72) 2225.84,3447.81 ; v1(2267.91,4291.61) 2273.31,4255.48 ccw(c2288.51,4257.78) 2274.88,4250.67 2296.34,4209.92 cw(c2274.25,4198.2) 2296.38,4209.84 cw(c2274.25,4198.2) 2299.25,4198.2 2299.3,3979.92 cw(c2289.3,3979.86) 2299.3,3979.74 2299.27,3861.81 cw(c2294.27,3861.82) 2297.85,3858.33
  Bottom Layer w5: v1@2209.96,3011.54 U2.26@2209.96,3073.39
A4: IC1.14 U1.29 U2.29 | length 1512.2
  Top Layer w5: IC1.14@2175.16,4275.2 2175.78,4275.82 2238.35,4275.82 v1(2238.97,4276.44) ; U1.29@2209.96,3073.39 2209.96,3135.23 v1(2210.21,3135.47) U1.29@2210.21,3073.63 ; U1.29@2210.45,3073.38 v1@2210.45,3135.23
  Mid-Layer 3 w5: v1(2210.21,3135.47) 2210.21,3447.62 ccw(c2205.21,3447.62) 2208.76,3451.14 2198.88,3461.03 cw(c2209.72,3471.93) 2198.22,3482.13 2208.95,3494.22 ccw(c2205.21,3497.54) 2210.21,3497.54 2210.21,3595.61 v1(2209.72,3596.1) 2209.72,3784.33 2287.83,3862.45 ccw(c2284.27,3865.96) 2289.27,3865.96 2289.3,3979.76 ccw(c2253.92,3979.88) 2289.3,3980.01 2289.25,4198.2 ccw(c2274.25,4198.2) 2286.66,4206.63 v1(2238.97,4276.44)
  Bottom Layer w5: U2.29@2209.96,3534.02 v1@2209.96,3595.86
A5: IC1.15 U1.30 U2.30 | length 1402.4
  Top Layer w5: IC1.15@2175.32,4255.67 2176.29,4256.64 2287.38,4256.64 v1(2288.51,4257.78) ; U1.30@2241.46,3073.39 v1@2241.46,3135.23
  Mid-Layer 3 w5: v1(2241.7,3135.47) 2241.7,3447.62 ; 2241.7,3447.67 ccw(c2236.7,3447.58) 2240.25,3451.11 2230.32,3461.08 cw(c2241.21,3471.93) 2229.69,3482.1 2240.45,3494.28 ccw(c2236.7,3497.59) 2241.7,3497.5 ; 2241.7,3497.54 2241.7,3595.61 v1(2241.21,3596.1) 2241.21,3785.47 cw(c2246.21,3785.47) 2242.66,3788.99 2304.92,3851.25 ccw(c2294.27,3861.82) 2309.27,3861.85 2309.3,3979.79 ccw(c2289.3,3979.86) 2309.3,3979.95 2309.25,4198.2 ccw(c2274.25,4198.2) 2306.85,4210.95 v1(2288.51,4257.78)
  Bottom Layer w5: U2.30@2241.46,3534.02 v1@2241.46,3595.86
A6: IC1.50 U1.31 U2.31 | length 1133.9
  Top Layer w5: U1.31@2272.95,3073.39 v1@2272.95,3135.23 ; U1.31@2273.2,3073.63 v1(2273.2,3135.47) ; U1.31@2273.44,3073.38 v1@2273.44,3135.23 ; v1(2491.93,3834.63) 2509.49,3817.07 IC1.50@2509.49,3763.7
  Mid-Layer 3 w5: v1(2273.2,3135.47) 2273.2,3447.62 ; 2273.2,3447.67 ccw(c2268.2,3447.58) 2271.74,3451.11 2261.81,3461.08 cw(c2272.71,3471.93) 2261.18,3482.1 2271.94,3494.28 ccw(c2268.2,3497.59) 2273.2,3497.5 ; 2273.2,3497.54 2273.2,3595.61 v1(2272.71,3596.1) 2272.71,3635.67 cw(c2277.71,3635.67) 2274.22,3639.26 2375.88,3738.05 cw(c2435.19,3677.15) 2378.92,3740.87 2426.63,3782.93 cw(c2489.7,3711.39) 2433.46,3788.42 2470.6,3815.54 ccw(c2461.53,3827.95) 2471.81,3816.52 v1(2491.93,3834.63)
  Bottom Layer w5: U2.31@2272.95,3534.02 v1@2272.95,3595.86
A7: IC1.53 U1.32 U2.32 | length 1183.3
  Top Layer w5: U1.32@2304.45,3073.39 v1@2304.45,3135.23 ; U1.32@2304.69,3073.63 v1(2304.69,3135.47) ; U1.32@2304.94,3073.38 v1@2304.94,3135.23 ; v1(2543.38,3842.95) 2568.15,3818.18 2568.15,3764.09 IC1.53@2568.39,3763.86
  Mid-Layer 3 w5: v1(2304.69,3135.47) 2304.69,3447.62 ; 2304.69,3447.67 ccw(c2299.69,3447.58) 2303.24,3451.11 2293.31,3461.08 cw(c2304.2,3471.93) 2292.68,3482.1 2303.44,3494.28 ccw(c2299.69,3497.59) 2304.69,3497.5 ; 2304.69,3497.54 2304.69,3595.61 v1(2304.2,3596.1) 2304.2,3636.02 cw(c2309.2,3636.02) 2305.65,3639.54 2389.34,3723.23 cw(c2435.19,3677.15) 2392.2,3725.9 2439.85,3767.93 cw(c2489.7,3711.39) 2466.32,3783.05 2534.77,3805.38 ccw(c2530,3820) 2545.31,3821.37 v1(2543.38,3842.95)
  Bottom Layer w5: U2.32@2304.45,3534.02 v1@2304.45,3595.86
A8: IC1.54 U1.33 U2.33 | length 1057.8
  Top Layer w5: U1.33@2335.94,3073.39 v1@2335.95,3135.23 ; v1(2587.91,3846.61) 2587.99,3846.54 2587.99,3763.94 IC1.54@2588.07,3763.86
  Mid-Layer 3 w5: v1(2336.19,3135.47) 2336.19,3447.62 ; 2336.19,3447.67 ccw(c2331.19,3447.58) 2334.73,3451.11 2324.8,3461.08 cw(c2335.7,3471.93) 2324.18,3482.1 2334.94,3494.28 ccw(c2331.19,3497.59) 2336.19,3497.5 ; 2336.19,3497.54 2336.19,3595.61 v1(2335.7,3596.1) 2335.7,3639.23 cw(c2340.7,3639.23) 2337.15,3642.75 2403.45,3709.06 cw(c2435.19,3677.15) 2405.46,3710.93 2453.08,3752.93 cw(c2489.7,3711.39) 2472.63,3764.07 2540.97,3786.37 ccw(c2530,3820) 2560.13,3801.46 v1(2587.91,3846.61)
  Bottom Layer w5: U2.33@2335.94,3534.02 v1@2335.95,3595.86
A9: IC1.55 U1.34 U2.34 | length 1120.7
  Top Layer w5: U1.34@2367.44,3073.39 v1@2367.44,3135.23 ; U1.34@2367.69,3073.63 v1(2367.69,3135.47) ; U1.34@2367.93,3073.38 v1@2367.93,3135.23 ; IC1.55@2607.76,3763.86 v1@2607.76,3816.14
  Mid-Layer 3 w5: v1(2367.69,3135.47) 2367.69,3447.62 ; 2367.69,3447.67 ccw(c2362.69,3447.58) 2366.23,3451.11 2356.3,3461.08 cw(c2367.2,3471.93) 2355.67,3482.1 2366.43,3494.28 ccw(c2362.69,3497.59) 2367.69,3497.5 ; 2367.69,3497.54 2367.69,3595.61 v1(2367.2,3596.1) 2367.2,3642.45 cw(c2372.2,3642.45) 2368.64,3645.96 2417.56,3694.89 cw(c2435.19,3677.15) 2418.69,3695.93 2466.27,3737.9 cw(c2489.7,3711.39) 2478.87,3745.07 2547.18,3767.36 ccw(c2530,3820) 2567.66,3779.4 v1(2607.52,3816.38)
  Bottom Layer w5: U2.34@2367.44,3534.02 v1@2367.44,3595.86
A10: IC1.56 U1.22 U2.22 | length 1185.5
  Top Layer w5: v1@2335.7,3472.17 U1.22@2335.7,3533.77 ; IC1.56@2627.6,3763.7 v1@2627.6,3836.3
  Mid-Layer 3 w5: v1(2335.7,3011.3) 2335.7,3102.91 cw(c2340.7,3102.91) 2337.15,3106.43 2350.36,3119.69 ccw(c2346.82,3123.22) 2351.82,3123.13 2351.82,3447.77 ; v1(2335.7,3471.93) ccw(c2339.85,3474.71) 2335.79,3471.8 2350.89,3450.63 cw(c2346.82,3447.72) 2351.82,3447.81 ; v1@2335.7,3477.63 2335.7,3477.49 cw(c2339.85,3474.71) 2336.28,3478.21 2350.36,3492.34 ccw(c2346.82,3495.87) 2351.82,3495.78 2351.82,3641.21 cw(c2356.82,3641.21) 2353.27,3644.73 2410.51,3701.97 cw(c2435.19,3677.15) 2412.04,3703.4 2459.69,3745.43 cw(c2489.7,3711.39) 2475.75,3754.57 2544.07,3776.86 ccw(c2530,3820) 2564.16,3790.14 2595.94,3826.5 cw(c2607.52,3816.38) 2604.3,3831.41 v1(2627.52,3836.38)
  Bottom Layer w5: v1@2335.95,3011.54 U2.22@2335.94,3073.39